# Altium PCB Hvamp_32.PCBDOC (part 1 of 6) (continued)
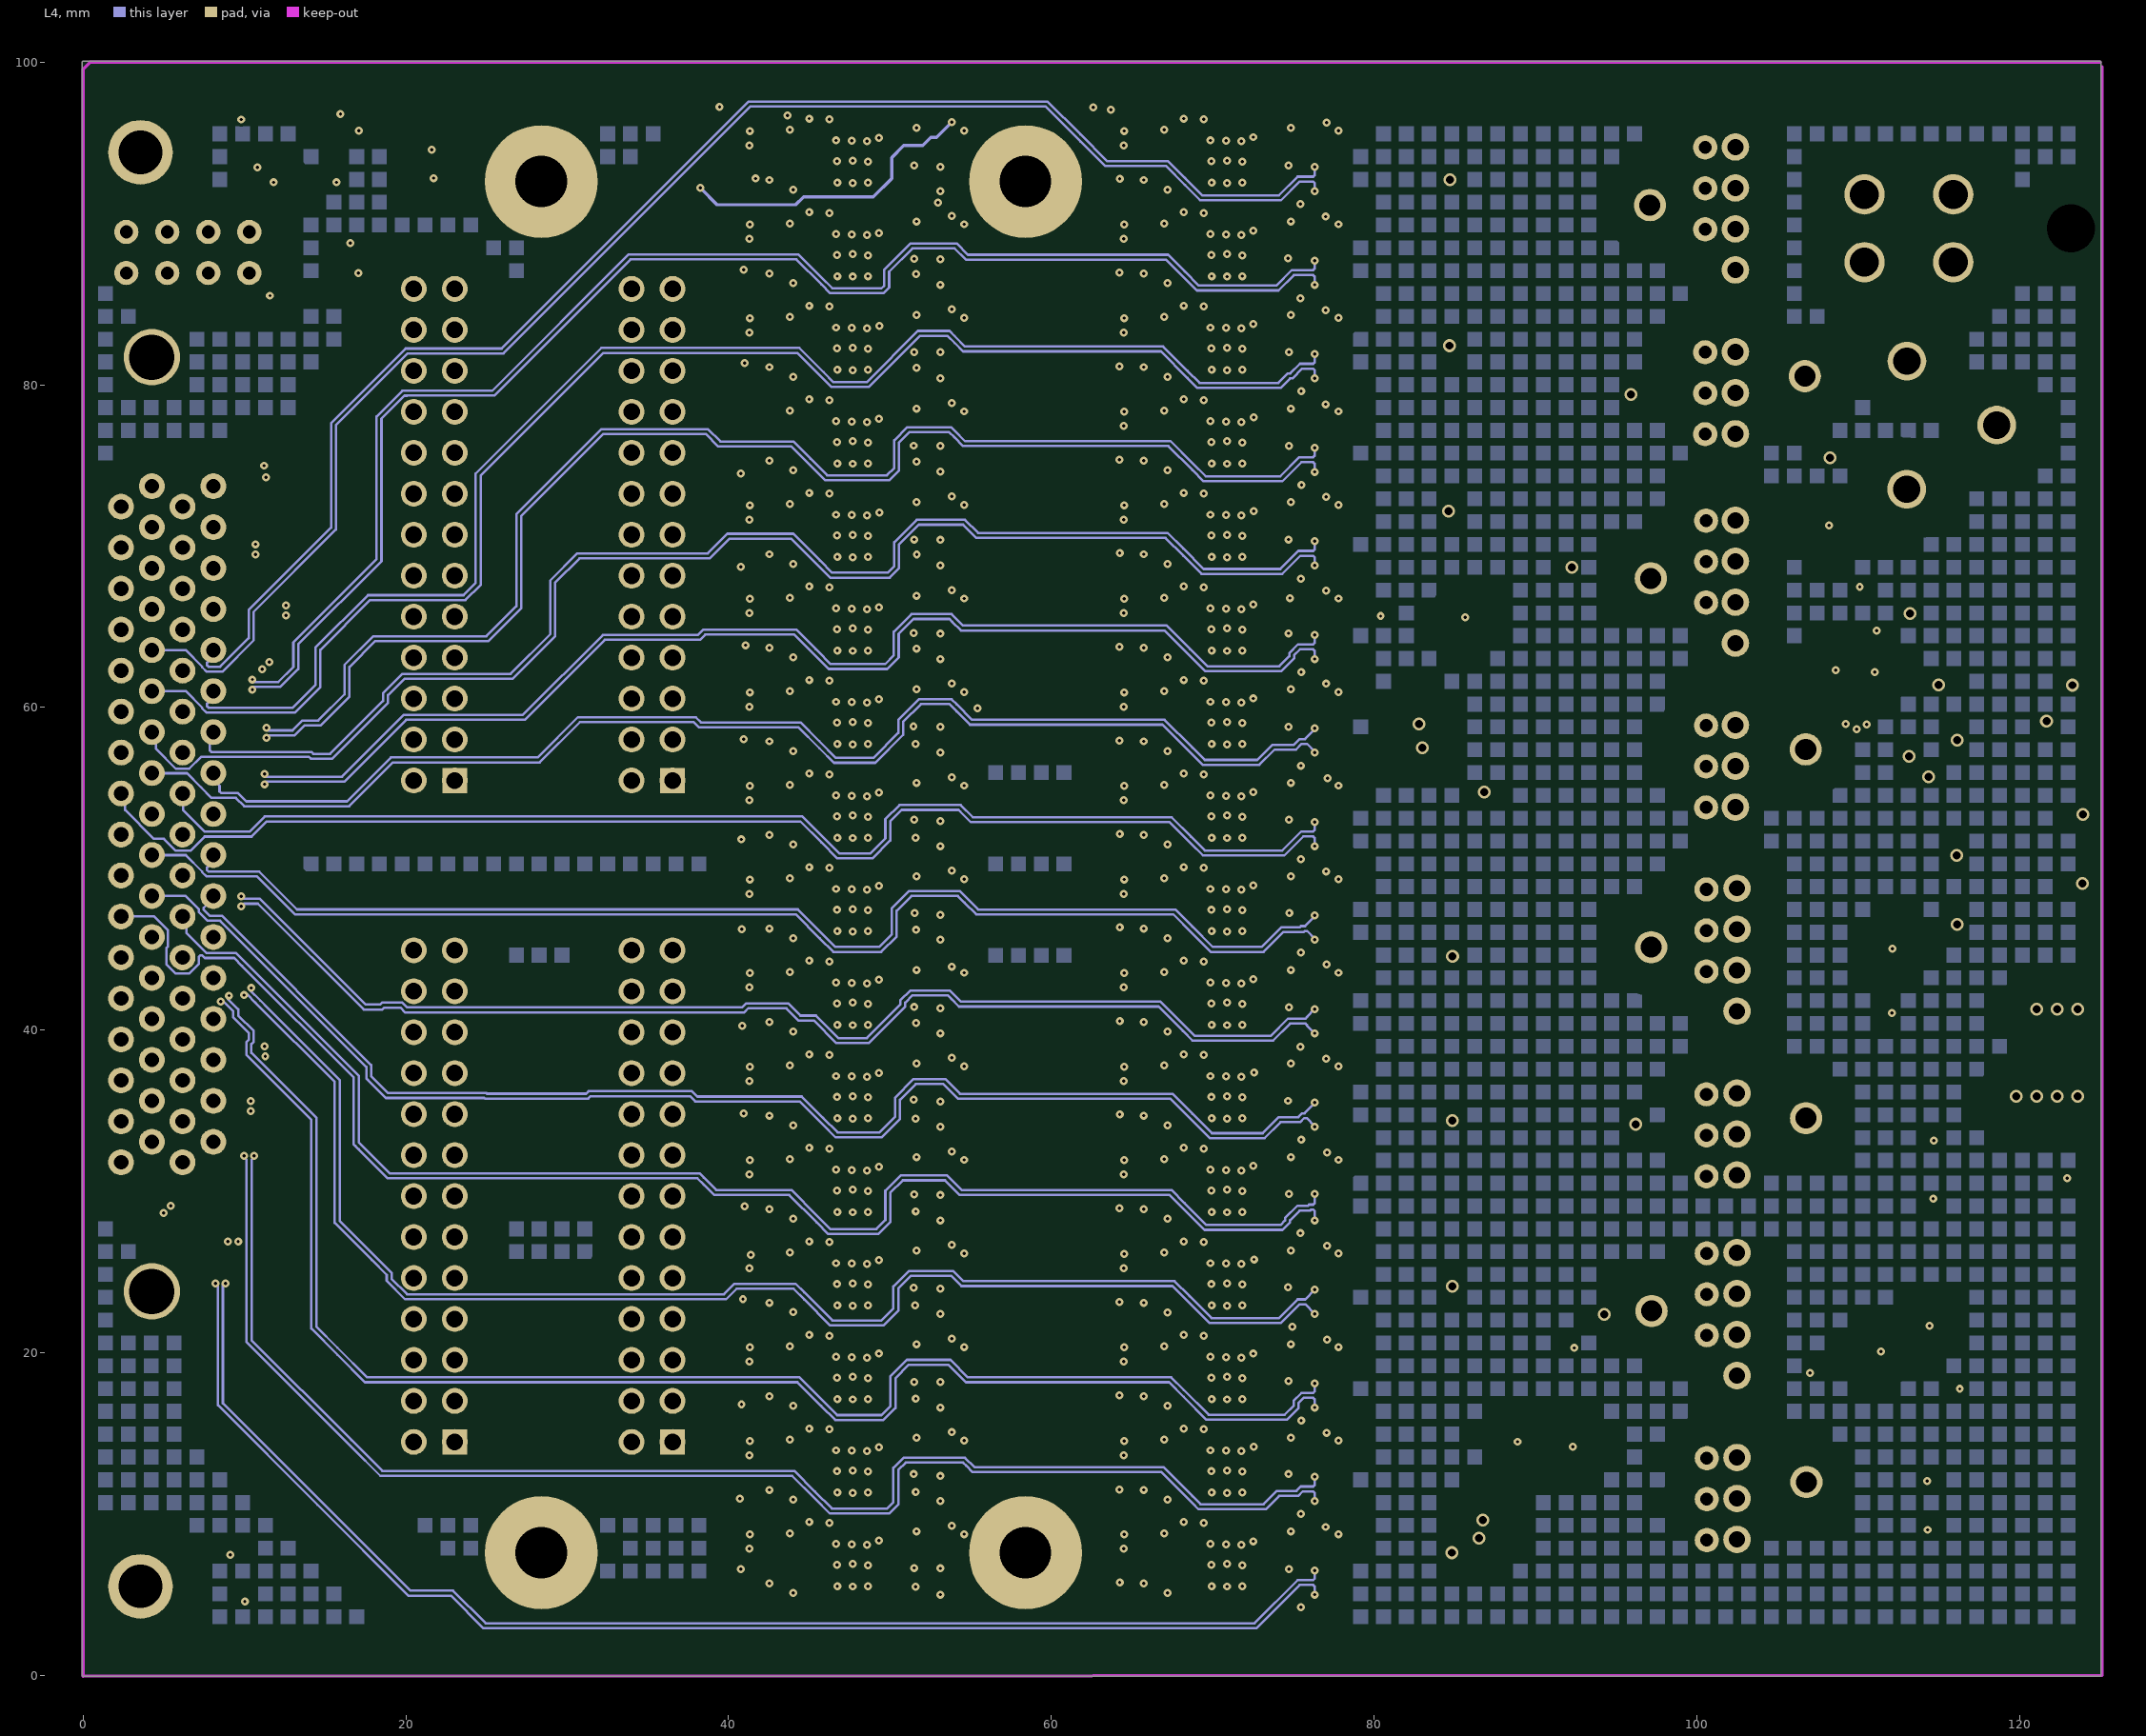
[diagram p4: L4]
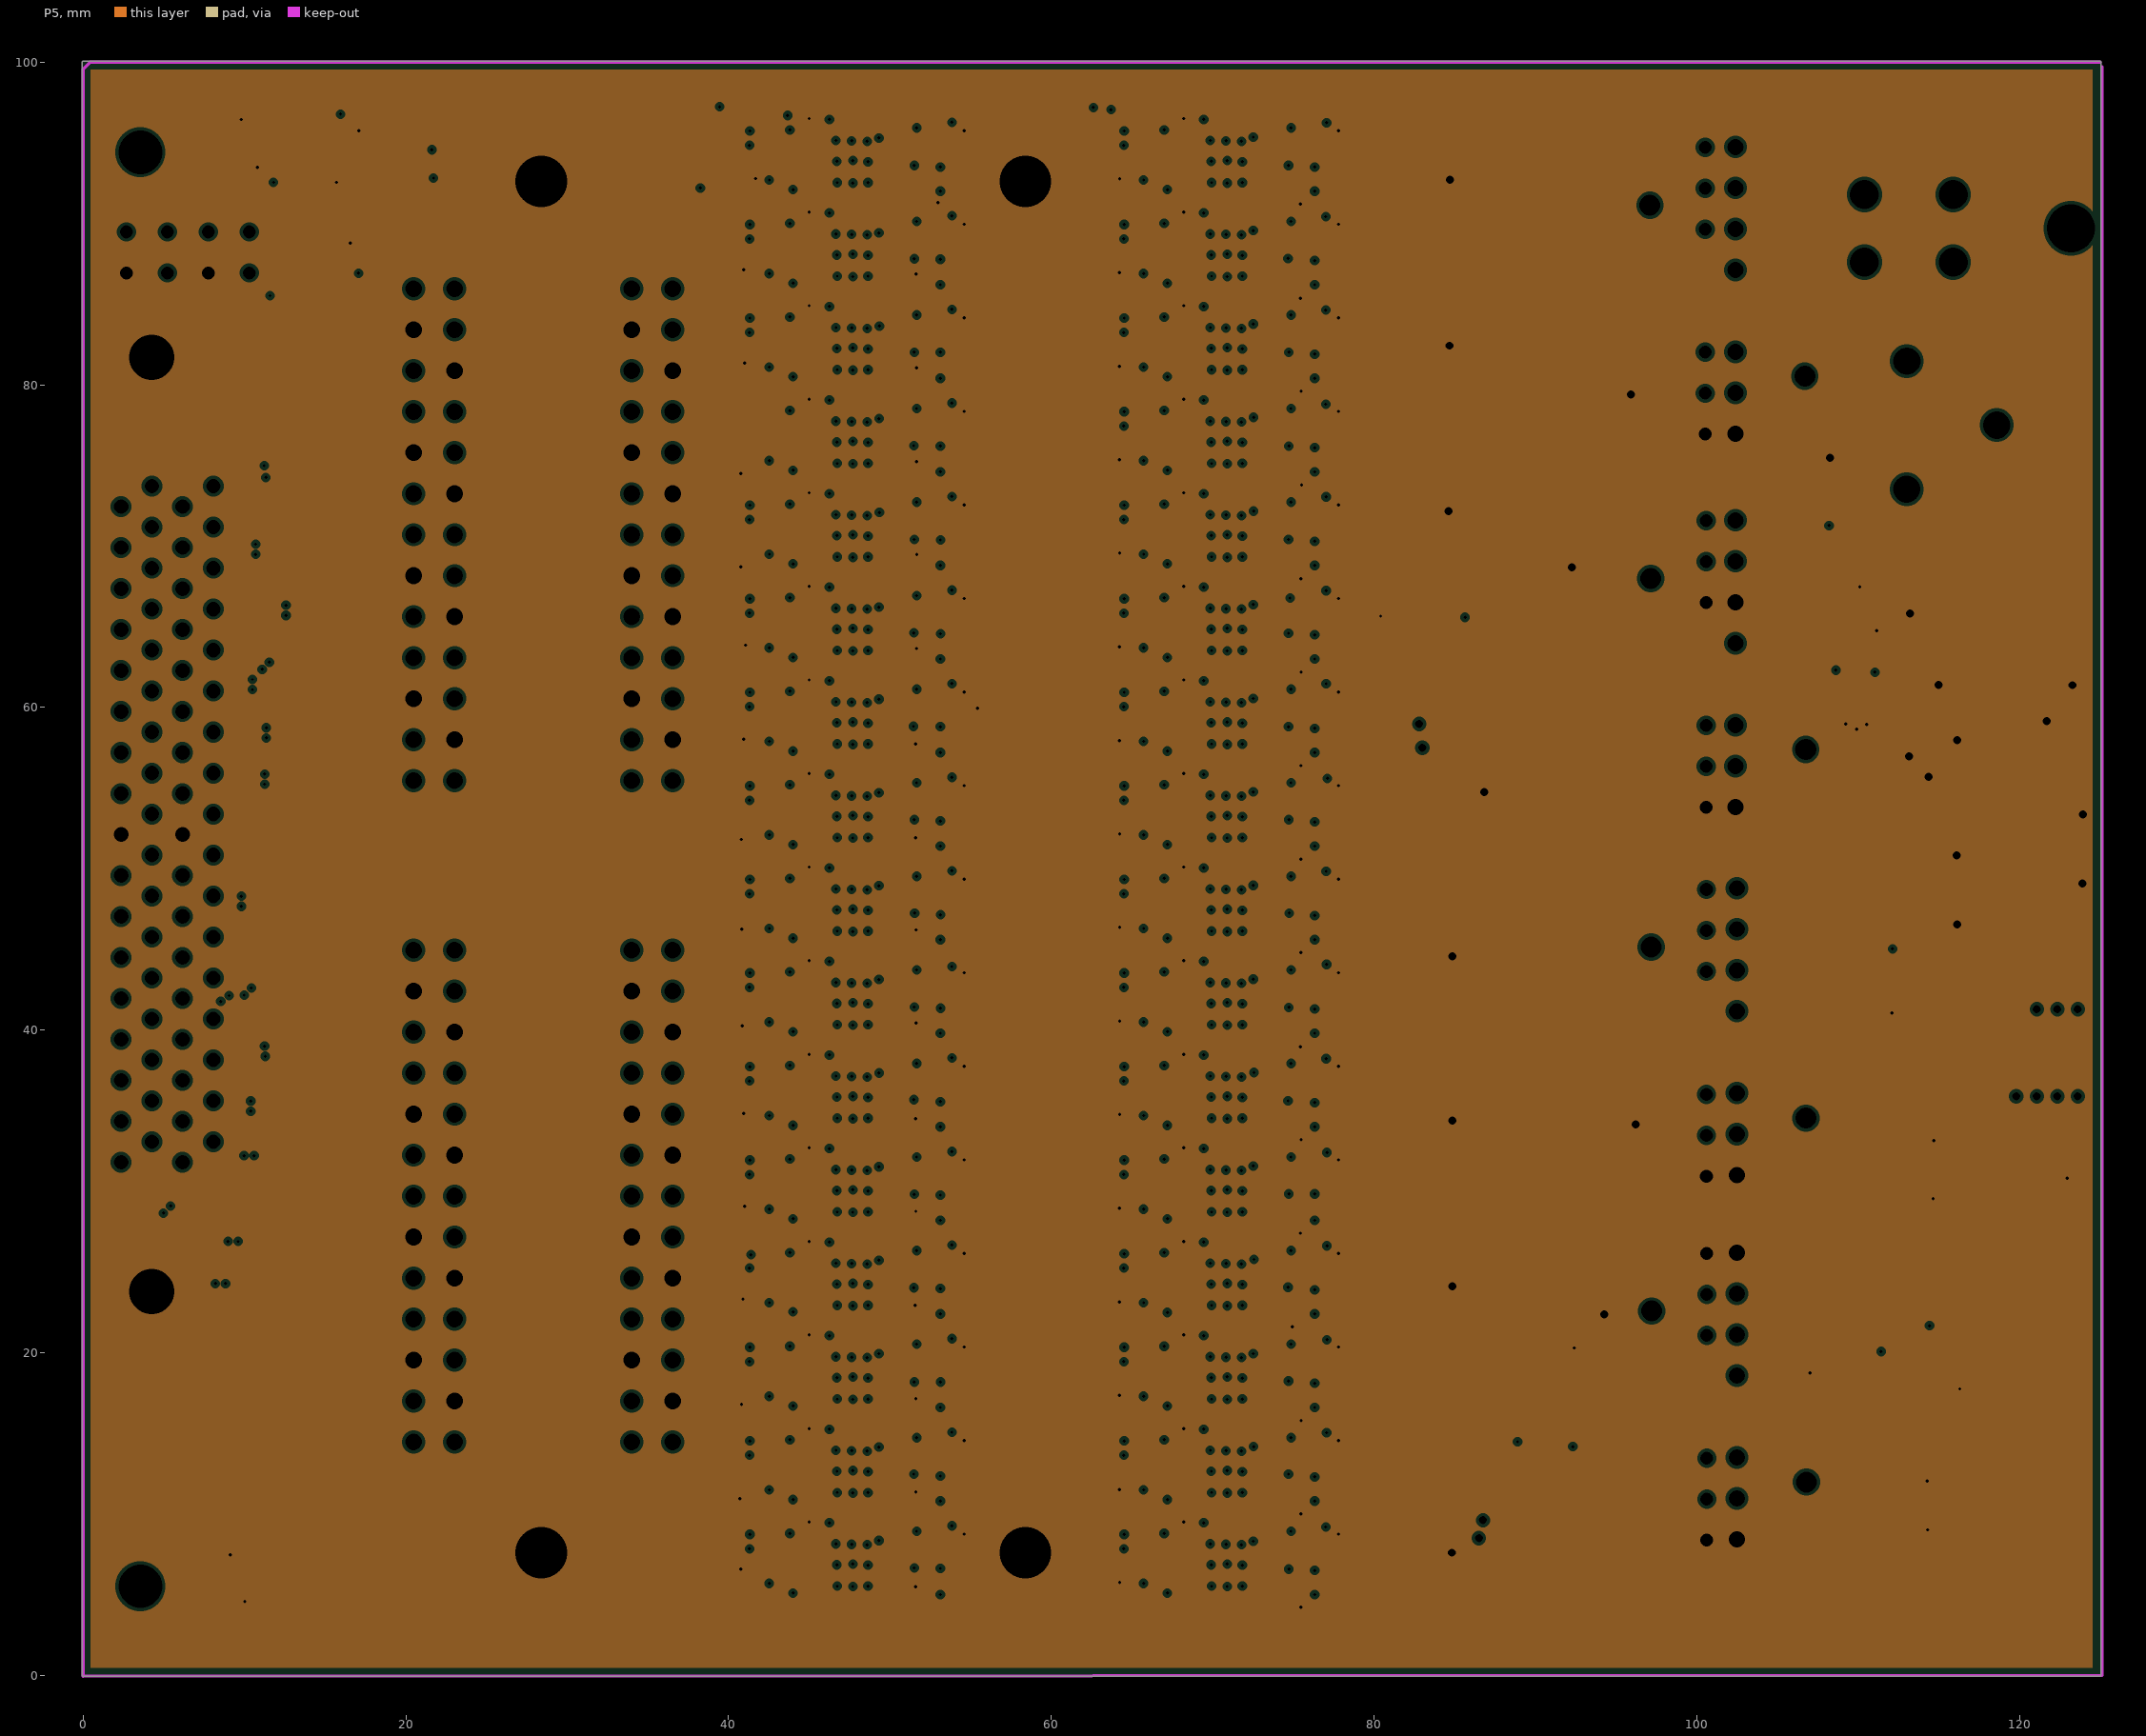
[diagram p5: P5, clearances drawn from the general rule]
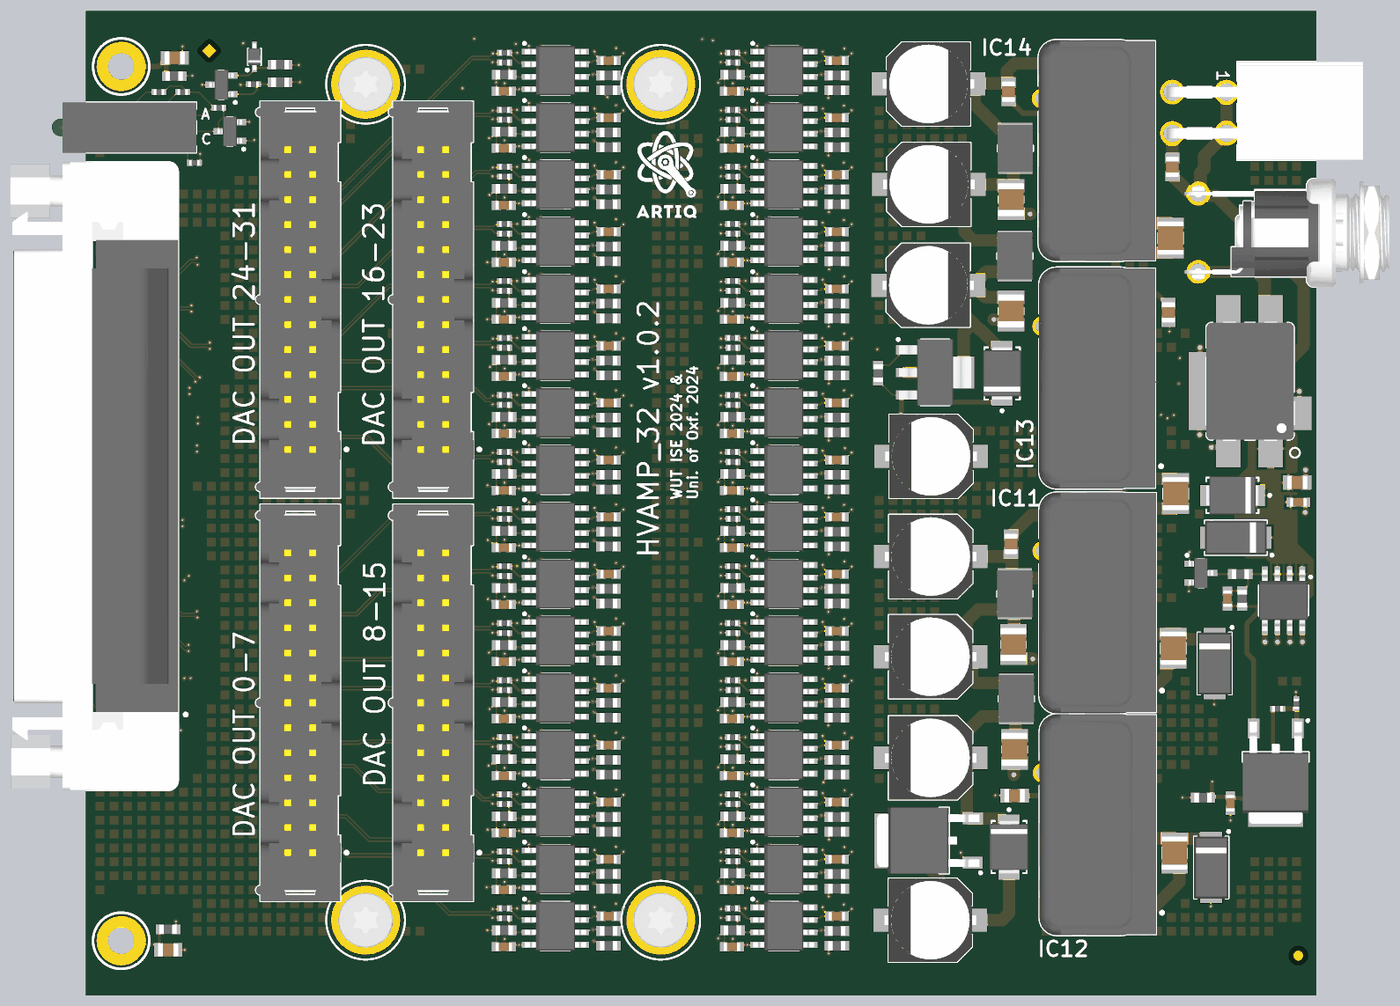
[diagram p11: 3D render of the assembled board from above, using the file's embedded part models]
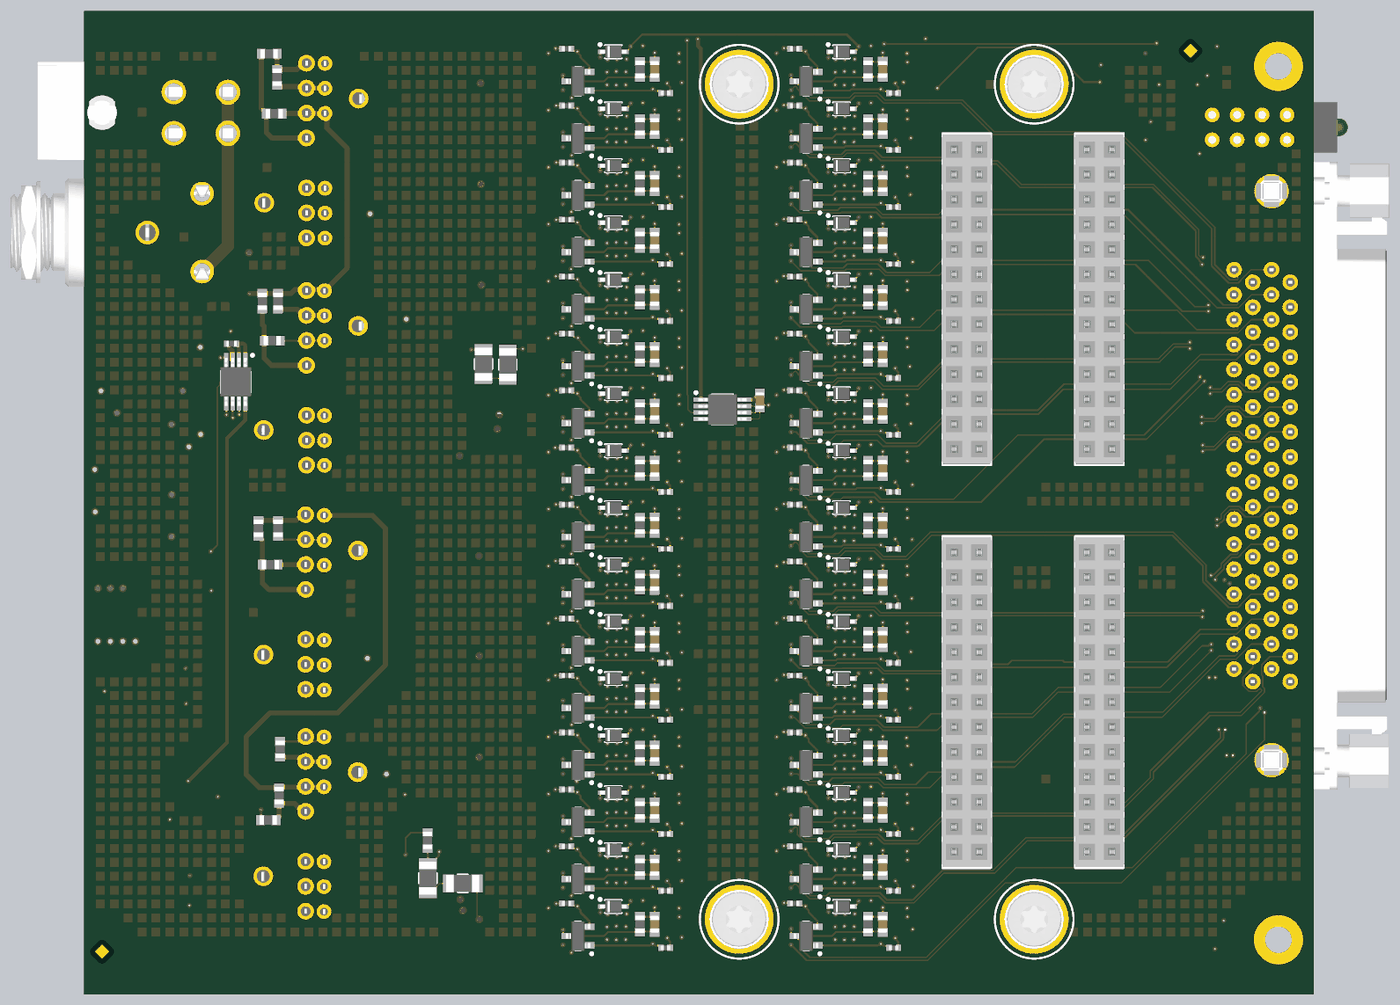
[diagram p12: 3D render of the assembled board from below, using the file's embedded part models]

## Layer stack, top to bottom
Top Solder: solder mask 0.034, Solder Resist, Dk 3.5
L1: signal copper 0.035
Dielectric1: core 0.1803, PP-021, Dk 4.7
L2: signal copper 0.018
Dielectric 3a: prepreg 0.1803, PP-021, Dk 4.7
L3: signal copper 0.018
Dielectric 4: core 0.65, Core-011, Dk 4.4
L4: signal copper 0.018
Dielectric 5a: prepreg 0.1803, PP-021, Dk 4.7
P5: plane copper 0.018, net GND
Dielectric7: core 0.1803, PP-021, Dk 4.7
L6: signal copper 0.0356
Bottom Solder: solder mask 0.034, Solder Resist, Dk 3.5

## Board outline
0,-0.05 cw(c0,0) -0.05,0 -0.05,100 cw(c0,100) 0,100.05 125,100.05 cw(c125,100) 125.05,100 125.05,0 cw(c125,0) 125,-0.05 92.814,-0.05 cw(c92.809,0) 92.809,-0.051 75,-0.051 cw(c75,0) 74.996,-0.05

## Design rules (kind name [scope] priority, off if disabled: settings)
AcuteAngle [All] p1: minimum=4.50000000000000E+0001 checktracksonly=FALSE
Clearance Clearance_balancing_keeoput [InNamedPolygon('balancing') vs OnLayer('KeepOutLayer')] p1: gap=0.127 ignorepadtopadclearanceinfootprint=FALSE
Clearance Clearance_LVDS [InNetClass('LVDS')] p2: gap=0.127 ignorepadtopadclearanceinfootprint=FALSE except(0.4: Arc-Poly Track-Poly SMDPad-Poly THPad-Poly Fill-Poly Poly-Poly)
Clearance Clearance_xtalk [InNetClass('xtalk analogue') vs InNetClass('xtalk digital')] p3: gap=0.203 ignorepadtopadclearanceinfootprint=TRUE except(0: Arc-Hole Track-Hole SMDPad-Hole THPad-Hole Via-Hole Fill-Hole Poly-Hole Region-Hole Text-Hole; 0.127: Arc-Arc Arc-Track Arc-SMDPad Arc-THPad Arc-Text Track-Track Track-SMDPad Track-THPad Track-Text SMDPad-SMDPad SMDPad-THPad SMDPad-Via SMDPad-Text THPad-THPad THPad-Via THPad-Text Via-Via Via-Text Fill-Text Poly-Text Region-Text Text-Text; 0.381: Arc-Via Track-Via) // Vias cause digital to analogue crosstalk
Clearance Clearance_polyGND [InNet('GND')] p4: gap=0.127 ignorepadtopadclearanceinfootprint=FALSE except(0: Arc-Hole Track-Hole SMDPad-Hole THPad-Hole Via-Hole Fill-Hole Poly-Hole Region-Hole Text-Hole; 0.2: Arc-Poly Track-Poly SMDPad-Poly THPad-Poly Via-Poly Fill-Poly Poly-Poly)
Clearance Clearance_poly1V2 [InNet('P1V2')] p5: gap=0.127 ignorepadtopadclearanceinfootprint=FALSE except(0: Arc-Hole Track-Hole SMDPad-Hole THPad-Hole Via-Hole Fill-Hole Poly-Hole Region-Hole Text-Hole)
Clearance Clearance_poly2V5 [InNet('P2V5')] p6: gap=0.127 ignorepadtopadclearanceinfootprint=FALSE except(0: Arc-Hole Track-Hole SMDPad-Hole THPad-Hole Via-Hole Fill-Hole Poly-Hole Region-Hole Text-Hole)
Clearance Clearance_balancing [InNamedPolygon('balancing')] p7: gap=2 ignorepadtopadclearanceinfootprint=FALSE
Clearance [All] p8: gap=0.127 ignorepadtopadclearanceinfootprint=FALSE except(0: Arc-Hole Track-Hole SMDPad-Hole THPad-Hole Via-Hole Fill-Hole Poly-Hole Region-Hole Text-Hole; 0.203: Arc-Poly Track-Poly SMDPad-Poly THPad-Poly Via-Poly Fill-Poly Poly-Poly)
ComponentClearance [All] p1: gap=0.025 collisioncheckmode=3 verticalgap=0.025 showdistances=FALSE
DiffPairsRouting [All] p1: maxlimit=0.152 minlimit=0.127 mostfreqgap=0.152 toplayer_minwidth=0.127 toplayer_maxwidth=0.152 toplayer_prefwidth=0.152 midlayer1_minwidth=0.127 midlayer1_maxwidth=0.152 midlayer1_prefwidth=0.152 midlayer2_minwidth=0.127 midlayer2_maxwidth=0.152 midlayer2_prefwidth=0.152 midlayer4_minwidth=0.127 midlayer4_maxwidth=0.152 midlayer4_prefwidth=0.152 bottomlayer_minwidth=0.127 bottomlayer_maxwidth=0.152 bottomlayer_prefwidth=0.152 maxuncoupledlength=12.7
FabricationTestPointUsage TestPointUsage [All] p1: valid=0 allowmultiple=FALSE
FabricationTestpoint Testpoint [All] p1: side=3 testpointundercomponent=TRUE minsize=1.016 maxsize=2.54 preferedsize=1.524 minholesize=0.508 maxholesize=1.016 preferedholesize=0.813 testpointgrid=0.025 allowsidetop=TRUE allowsidebottom=TRUE usegrid=TRUE gridtolerance=0
Height [All] p1: minheight=0 maxheight=40 prefheight=40
HoleSize [All] p1: absolutevalues=TRUE maxlimit=3.81 minlimit=0.025 maxpercent=80.000 minpercent=20.000
HoleToHoleClearance [All] p1: gap=0.025 allowstackedmicrovias=TRUE
MinimumSolderMaskSliver [All] p1: minsoldermaskwidth=0
PlaneClearance [All] p1: clearance=0.2
PlaneConnect [All] p1: planeconnectstyle=Direct reliefexpansion=0.508 reliefentries=4 reliefconductorwidth=0.254 reliefairgap=0.254
PolygonConnect PolygonConnect_pad [(InPadClass('All Pads'))] p1: connectstyle=Relief reliefconductorwidth=0.254 reliefentries=4 polygonreliefangle="90 Angle" airgapwidth=0.254
PolygonConnect [All] p2: connectstyle=Direct reliefconductorwidth=0.254 reliefentries=4 polygonreliefangle="45 Angle" airgapwidth=0.254
RoomDefinition HVamp_32_Supply [InComponentClass('HVamp_32_Supply')] p1 off: confinementstyle=ConfineIn formatcopy=TRUE lockcomponents=FALSE outline 113.3,5.1 124.5,5.1 124.5,0 113.3,0
RoomDefinition Hvamp_32 [InComponentClass('Hvamp_32')] p2 off: confinementstyle=ConfineIn formatcopy=TRUE lockcomponents=FALSE outline 0,17.3 -8.4,17.3 -8.4,3.6 0,3.6
RoomDefinition AMP_channel32 [InComponentClass('AMP_channel32')] p3: confinementstyle=ConfineIn formatcopy=TRUE lockcomponents=FALSE outline 40.8,91.1 55,91.1 55,96.9 40.8,96.9
RoomDefinition AMP_channel31 [InComponentClass('AMP_channel31')] p4: confinementstyle=ConfineIn formatcopy=TRUE lockcomponents=FALSE outline 40.8,85.3 55,85.3 55,91.1 40.8,91.1
RoomDefinition AMP_channel30 [InComponentClass('AMP_channel30')] p5: confinementstyle=ConfineIn formatcopy=TRUE lockcomponents=FALSE outline 40.8,79.5 55,79.5 55,85.3 40.8,85.3
RoomDefinition AMP_channel29 [InComponentClass('AMP_channel29')] p6: confinementstyle=ConfineIn formatcopy=TRUE lockcomponents=FALSE outline 40.8,73.7 55,73.7 55,79.5 40.8,79.5
RoomDefinition AMP_channel28 [InComponentClass('AMP_channel28')] p7: confinementstyle=ConfineIn formatcopy=TRUE lockcomponents=FALSE outline 40.8,67.9 55,67.9 55,73.7 40.8,73.7
RoomDefinition AMP_channel27 [InComponentClass('AMP_channel27')] p8: confinementstyle=ConfineIn formatcopy=TRUE lockcomponents=FALSE outline 40.8,62.1 55,62.1 55,67.9 40.8,67.9
RoomDefinition AMP_channel26 [InComponentClass('AMP_channel26')] p9: confinementstyle=ConfineIn formatcopy=TRUE lockcomponents=FALSE outline 40.8,56.3 55,56.3 55,62.1 40.8,62.1
RoomDefinition AMP_channel25 [InComponentClass('AMP_channel25')] p10: confinementstyle=ConfineIn formatcopy=TRUE lockcomponents=FALSE outline 40.8,50.5 55,50.5 55,56.3 40.8,56.3
RoomDefinition AMP_channel24 [InComponentClass('AMP_channel24')] p11: confinementstyle=ConfineIn formatcopy=TRUE lockcomponents=FALSE outline 64,91.1 78.2,91.1 78.2,96.9 64,96.9
RoomDefinition AMP_channel21 [InComponentClass('AMP_channel21')] p12: confinementstyle=ConfineIn formatcopy=TRUE lockcomponents=FALSE outline 64,73.7 78.2,73.7 78.2,79.5 64,79.5
RoomDefinition AMP_channel20 [InComponentClass('AMP_channel20')] p13: confinementstyle=ConfineIn formatcopy=TRUE lockcomponents=FALSE outline 64,67.9 78.2,67.9 78.2,73.7 64,73.7
RoomDefinition AMP_channel19 [InComponentClass('AMP_channel19')] p14: confinementstyle=ConfineIn formatcopy=TRUE lockcomponents=FALSE outline 64,62.1 78.2,62.1 78.2,67.9 64,67.9
RoomDefinition AMP_channel18 [InComponentClass('AMP_channel18')] p15: confinementstyle=ConfineIn formatcopy=TRUE lockcomponents=FALSE outline 64,56.3 78.2,56.3 78.2,62.1 64,62.1
RoomDefinition AMP_channel17 [InComponentClass('AMP_channel17')] p16: confinementstyle=ConfineIn formatcopy=TRUE lockcomponents=FALSE outline 64,50.5 78.2,50.5 78.2,56.3 64,56.3
RoomDefinition AMP_channel16 [InComponentClass('AMP_channel16')] p17: confinementstyle=ConfineIn formatcopy=TRUE lockcomponents=FALSE outline 64,44.7 78.2,44.7 78.2,50.5 64,50.5
RoomDefinition AMP_channel15 [InComponentClass('AMP_channel15')] p18: confinementstyle=ConfineIn formatcopy=TRUE lockcomponents=FALSE outline 64,38.9 78.2,38.9 78.2,44.7 64,44.7
RoomDefinition AMP_channel14 [InComponentClass('AMP_channel14')] p19: confinementstyle=ConfineIn formatcopy=TRUE lockcomponents=FALSE outline 64,33.1 78.2,33.1 78.2,38.9 64,38.9
RoomDefinition AMP_channel13 [InComponentClass('AMP_channel13')] p20: confinementstyle=ConfineIn formatcopy=TRUE lockcomponents=FALSE outline 64,27.3 78.2,27.3 78.2,33.1 64,33.1
RoomDefinition AMP_channel12 [InComponentClass('AMP_channel12')] p21: confinementstyle=ConfineIn formatcopy=TRUE lockcomponents=FALSE outline 64,21.5 78.2,21.5 78.2,27.3 64,27.3
RoomDefinition AMP_channel11 [InComponentClass('AMP_channel11')] p22: confinementstyle=ConfineIn formatcopy=TRUE lockcomponents=FALSE outline 64,15.7 78.2,15.7 78.2,21.5 64,21.5
RoomDefinition AMP_channel10 [InComponentClass('AMP_channel10')] p23: confinementstyle=ConfineIn formatcopy=TRUE lockcomponents=FALSE outline 64,9.9 78.2,9.9 78.2,15.7 64,15.7
RoomDefinition AMP_channel9 [InComponentClass('AMP_channel9')] p24: confinementstyle=ConfineIn formatcopy=TRUE lockcomponents=FALSE outline 64,4.1 78.2,4.1 78.2,9.9 64,9.9
RoomDefinition AMP_channel8 [InComponentClass('AMP_channel8')] p25: confinementstyle=ConfineIn formatcopy=TRUE lockcomponents=FALSE outline 40.8,44.7 55,44.7 55,50.5 40.8,50.5
RoomDefinition AMP_channel7 [InComponentClass('AMP_channel7')] p26: confinementstyle=ConfineIn formatcopy=TRUE lockcomponents=FALSE outline 40.8,38.9 55,38.9 55,44.7 40.8,44.7
RoomDefinition AMP_channel6 [InComponentClass('AMP_channel6')] p27: confinementstyle=ConfineIn formatcopy=TRUE lockcomponents=FALSE outline 40.8,33.1 55,33.1 55,38.9 40.8,38.9
RoomDefinition AMP_channel5 [InComponentClass('AMP_channel5')] p28: confinementstyle=ConfineIn formatcopy=TRUE lockcomponents=FALSE outline 40.8,27.3 55,27.3 55,33.1 40.8,33.1
RoomDefinition AMP_channel4 [InComponentClass('AMP_channel4')] p29: confinementstyle=ConfineIn formatcopy=TRUE lockcomponents=FALSE outline 40.8,21.5 55,21.5 55,27.3 40.8,27.3
RoomDefinition AMP_channel3 [InComponentClass('AMP_channel3')] p30: confinementstyle=ConfineIn formatcopy=TRUE lockcomponents=FALSE outline 40.8,15.7 55,15.7 55,21.5 40.8,21.5
RoomDefinition AMP_channel2 [InComponentClass('AMP_channel2')] p31: confinementstyle=ConfineIn formatcopy=TRUE lockcomponents=FALSE outline 40.8,9.9 55,9.9 55,15.7 40.8,15.7
RoomDefinition AMP_channel1 [InComponentClass('AMP_channel1')] p32: confinementstyle=ConfineIn formatcopy=TRUE lockcomponents=FALSE outline 40.8,4.1 55,4.1 55,9.9 40.8,9.9
RoomDefinition AMP_channel22 [InComponentClass('AMP_channel22')] p33: confinementstyle=ConfineIn formatcopy=TRUE lockcomponents=FALSE outline 64,79.5 78.2,79.5 78.2,85.3 64,85.3
RoomDefinition AMP_channel23 [InComponentClass('AMP_channel23')] p34: confinementstyle=ConfineIn formatcopy=TRUE lockcomponents=FALSE outline 64,85.3 78.2,85.3 78.2,91.1 64,91.1
RoutingVias RoutingVias_HPWR [InNetClass('Hpower')] p1: holewidth=0.4 width=0.7 viastyle="Through Hole" minholewidth=0.2 minwidth=0.4 maxholewidth=0.711 maxwidth=1.27
RoutingVias [All] p2: holewidth=0.2 width=0.5 viastyle="Through Hole" minholewidth=0.2 minwidth=0.4 maxholewidth=0.711 maxwidth=1.27 useviatemplates=TRUE viatemplateguid#1={5BAA27DB-B0FA-4A3A-9DA0-DE1950771AFC} viatemplateguid#2={E59B6CBC-6709-4338-8E72-A4F4F67AC6A1} viatemplatename#1=v50h20m0mx0 viatemplatename#2=v80h50m0mx0
SilkToSilkClearance [All] p1: silktosilkclearance=0
SilkToSolderMaskClearance SilkscreenOverComponentPads [IsPad] p1: minsilkscreentomaskgap=0 clearancetoexposedcopper=TRUE
SolderMaskExpansion [All] p1: expansion=0.051 istentingtop=FALSE
ViasUnderSMD ViasUnderSMD_allow [HasFootprint('QFN50P300X300X80-17N-S175') or  HasFootprint('SOP50P490X110-11N-R168X198')  or  HasFootprint('SON50P300X300X80-11N-R175X248') or HasFootprint('SON50P200X300X80-11N-R94X250') or HasFootprint('CAPMP3216X180N')   or HasFootprint('SON65P200X200X80-7N-R65X145') or HasFootprint('SON45P300X300X80-13N-R175X248')] p1: allowed=TRUE
ViasUnderSMD [All] p2: allowed=FALSE
Width Width_HPWR [InNetClass('Hpower')] p1: maxlimit=2 minlimit=0.254 preferedwidth=0.508
Width [All] p2: maxlimit=1.27 minlimit=0.127 preferedwidth=0.127
18 further rules are at their usual default settings.
